# Allegro board 6089-119-RevB_08.brd (continued)
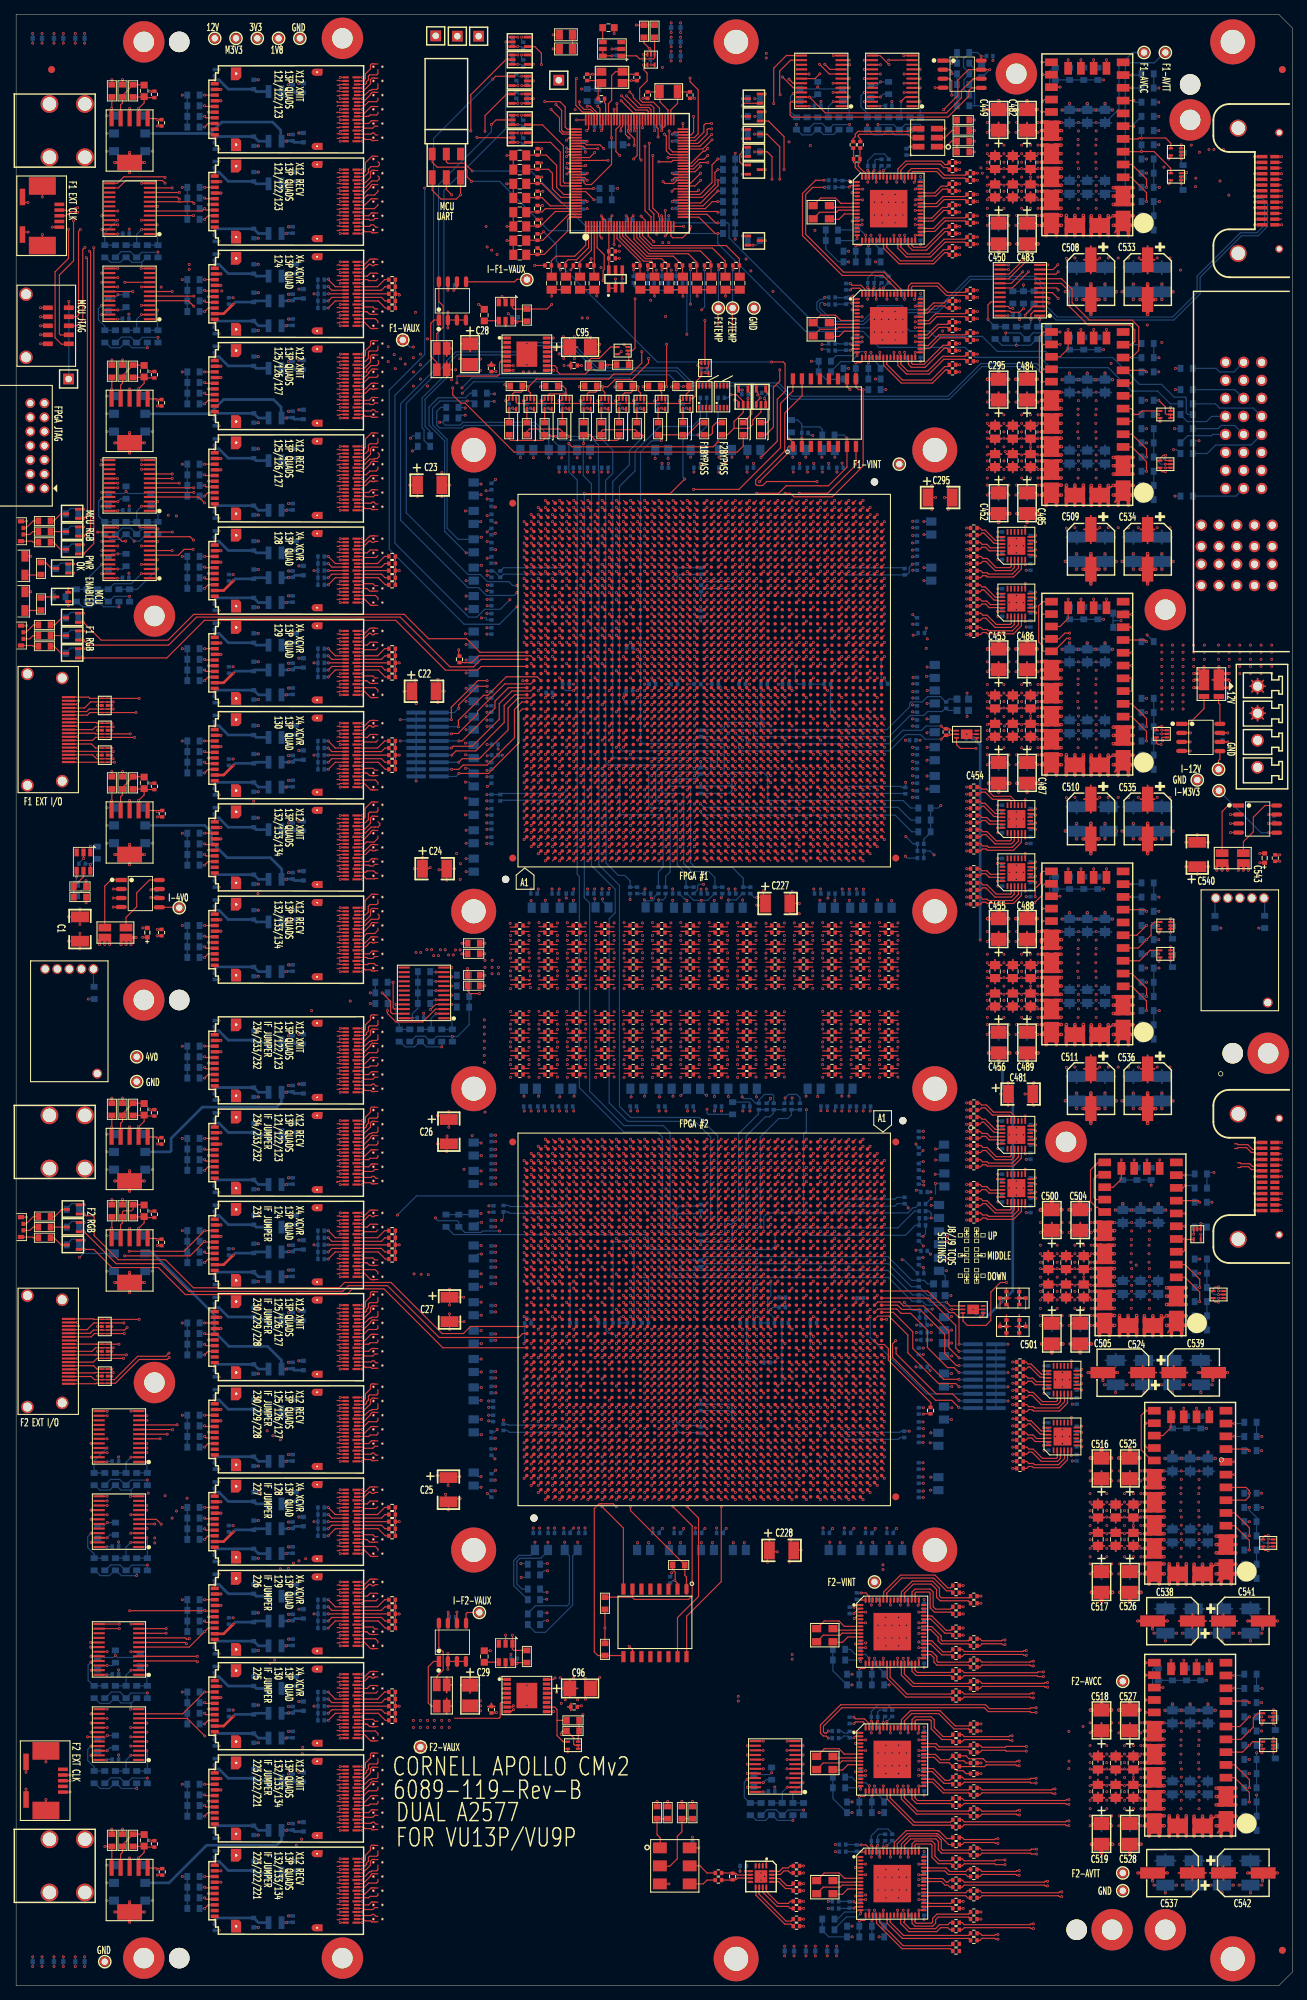
[diagram p0: board, top side]
## Routing (per net, layer and track width the routed paths; a pad name or vN(x,y) marks a point on that pad's centre or on a via; arc(x,y) is an arc through that point) (continued)
GND: length 8739.9
  TOP w0.165: U117.13 v1(168.2,81.38) ; U77.Y17 v1(103.39,103.29) ; 126.3,271.98 v1(125.12,271.98) ; U77.AC49 v1(100.39,70.51) ; U77.AF17 v1(97.39,103.29) ; C194.2 C193.2 v1(100,238.08) ; U77.BD1 v1(78.61,119.29) ; U77.AT23 v1(86.61,97.29) ; U77.AU18 v1(85.61,102.29) ; U77.U43 v1(106.39,76.51) ; U75.AH29 v1(99.39,187.29) ; U75.BA48 v1(112.39,206.29) ; U75.G18 v1(77.61,175.51) ; J3.5 v1(7.6,27.3) ; U75.C36 v1(73.61,194.29) ; U77.P51 v1(109.39,68.51) ; U75.BE4 v1(116.39,161.51) ; U77.A39 v1(122.39,80.51) ; U77.V25 v1(105.39,95.29) ; U77.AV5 v1(84.61,115.29) ; U75.BF20 v1(117.39,177.51) ; C96.2 80.95,41.9 80.25,41.2 v1(80.25,40.4) ; C96.2 81.5,41.9 81.5,42.65 v1(82.28,43.43) ; C96.2 80.2,42.66 v1(80.2,43.35) ; U77.BL12 v1(71.61,108.29) ; U31.A16 v1(48.81,170.4) ; U75.G44 v1(77.61,202.29) ; U34.A19 v1(48.81,125.9) ; U75.D41 v1(74.61,199.29) ; U42.A10 v1(48.81,26.4) ; U77.BD41 v1(78.61,78.51) ; R50.1 v1(54.01,173.4) ; R50.1 R51.1 R52.1 ; R50.1 R49.1 R48.1 ; U28.A16 v1(48.81,209.4) ; U77.V2 v1(105.39,118.29) ; U77.BG28 v1(75.61,91.51) ; U77.U39 v1(106.39,80.51) ; U75.D47 v1(74.61,205.29) ; U75.L8 v1(81.61,165.51) ; U75.BK16 v1(121.39,173.51) ; U77.BH41 v1(74.61,78.51) ; U75.AH33 v1(99.39,191.29) ; U75.BK10 v1(121.39,167.51) ; U77.G16 v1(116.39,104.29) ; U77.BE34 v1(77.61,85.51) ; U77.AW14 v1(83.61,106.29) ; U75.C17 v1(73.61,174.51) ; v1(150.37,123.59) 150.45,123.59 150.45,123.6 ; U75.AH12 v1(99.39,169.51) ; U77.L3 v1(112.39,117.29) ; U77.BJ43 v1(73.61,76.51) ; C22.2 59.44,182.17 v1(59.44,180.8) ; C22.2 v1(60.35,182.4) ; C22.2 59.45,182.64 59.45,184.07 v1(59.44,184.07) ; U75.BK4 v1(121.39,161.51) ; U75.AU26 v1(108.39,184.29) ; U75.BJ17 v1(120.39,174.51) ; U75.BA16 v1(112.39,173.51) ; v1(109.03,59.72) 109.03,60.77 C228.2 ; R68.1 R69.1 R70.1 ; U75.BC47 v1(114.39,205.29) ; v1(143.45,124.05) 143.45,124.15 143.26,124.34 143.26,125.65 ; U75.AG4 v1(98.39,161.51) ; U77.AD2 v1(99.39,118.29) ; U75.AC39 v1(93.61,197.29) ; R38.1 R39.1 R40.1 ; U77.BK20 v1(72.61,100.29) ; v1(60.9,52.65) 60.9,52.35 60.87,52.31 U46.7 ; U75.AU13 v1(108.39,170.51) ; U77.M2 v1(111.39,118.29) ; U75.H33 v1(78.61,191.29) ; J5.17 v1(8.66,180.56) ; C37.2 C36.2 v1(69.15,253.9) ; U75.W22 v1(89.61,179.51) ; U75.BC3 v1(114.39,160.51) ; v1(1.7,247.1) 1.07,247.1 0.9,246.93 J2.9 ; U75.AD6 v1(94.61,163.51) ; J5.2 v1(8.66,172.94) ; U38.B19 v1(45.69,73.9) ; U30.A19 v1(48.81,181.9) ; U77.W30 v1(104.39,89.51) ; J6.11 v1(8.66,89.91) ; U75.AB47 v1(92.61,205.29) ; U75.AF25 v1(97.39,182.51) ; U77.AE30 v1(98.39,89.51) ; U75.AJ36 v1(100.39,194.29) ; v1(76.52,223.34) 76.83,223.34 77,223.51 U60.3 ; U75.AD50 v1(94.61,208.29) ; U75.F31 v1(76.61,189.29) ; U25.A13 v1(48.81,249.9) ; U77.V31 v1(105.39,88.51) ; U75.BE36 v1(116.39,194.29) ; U75.B3 v1(72.61,160.51) ; U43.A10 v1(48.81,13.4) ; U71.3 v1(92.03,14.36) ; U77.AJ4 v1(93.61,116.29) ; U77.AG36 v1(95.61,83.51) ; U77.R47 v1(108.39,72.51) ; U77.BB23 v1(80.61,97.29) ; v1(127.89,80.54) 127.94,80.6 R140.2 ; U75.BK6 v1(121.39,163.51) ; U75.L49 v1(81.61,207.29) ; U77.AN12 v1(89.61,108.29) ; U77.AE47 v1(98.39,72.51) ; U77.A48 v1(122.39,71.51) ; U75.AB42 v1(92.61,200.29) ; U77.AP25 v1(88.61,95.29) ; U77.AW38 v1(83.61,81.51) ; U49.3 69.5,223.51 69.33,223.34 v1(69.02,223.34) ; U75.B42 v1(72.61,200.29) ; U35.A19 v1(48.81,112.9) ; U51.3 v1(70.72,270.74) ; U77.D1 v1(119.39,119.29) ; U77.A45 v1(122.39,74.51) ; U28.A4 v1(48.81,215.4) ; U75.V38 v1(88.61,196.29) ; U77.AY38 v1(82.61,81.51) ; U77.F46 v1(117.39,73.51) ; U75.AF42 v1(97.39,200.29) ; C1.2 v1(9,151.71) ; C1.2 v1(7.4,150.61) ; C1.2 v1(9,149.52) ; U77.H16 v1(115.39,104.29) ; U77.G18 v1(116.39,102.29) ; U77.P42 v1(109.39,77.51) ; U75.AB10 v1(92.61,167.51) ; U77.BF16 v1(76.61,104.29) ; J2.5 v1(5.1,247.8) ; U4.8 v1(13.5,176.9) ; U77.AP15 v1(88.61,105.29) ; R24.2 v1(15,125.07) ; U29.A4 v1(48.81,202.4) ; U77.BA12 v1(81.61,108.29) ; U77.AF40 v1(97.39,79.51) ; U35.A7 v1(48.81,118.9) ; U75.E18 v1(75.61,175.51) ; U9.12 v1(16.2,80.97) ; R106.1 82.56,228.35 83.34,228.35 v1(83.35,228.34) 83.41,228.4 R116.1 ; U77.G3 v1(116.39,117.29) ; Q5.2 v1(9.5,203.05) ; U33.B10 v1(45.69,147.4) ; C32.2 v1(67.64,227.45) ; U75.U9 v1(87.61,166.51) ; U77.AY46 v1(82.61,73.51) ; U75.AK2 v1(101.39,159.51) ; U75.AF37 v1(97.39,195.29) ; U75.AP21 v1(105.39,178.51) ; U31.B7 v1(45.69,174.9) ; U77.AE40 v1(98.39,79.51) ; U43.B10 v1(45.69,13.4) ; U77.M41 v1(111.39,78.51) ; U75.AU5 v1(108.39,162.51) ; U42.A4 v1(48.81,29.4) ; U45.2 U45.3 U45.4 ; U45.2 v1(60.87,233.59) ; U45.2 60.87,235.83 v1(60.88,235.83) ; U77.M11 v1(111.39,109.29) ; U23.7 19.12,154.53 v1(19,154.42) ; U77.F36 v1(117.39,83.51) ; U36.A7 v1(48.81,105.9) ; U27.B19 v1(45.69,220.9) ; U75.J38 v1(79.61,196.29) ; U75.G31 v1(77.61,189.29) ; U75.H41 v1(78.61,199.29) ; U75.BH51 v1(119.39,209.29) ; U77.AR40 v1(87.61,79.51) ; U75.E31 v1(75.61,189.29) ; U77.B31 v1(121.39,88.51) ; U26.B19 v1(45.69,233.9) ; U77.AD39 v1(99.39,80.51) ; U75.BA14 v1(112.39,171.51) ; U77.AP19 v1(88.61,101.29) ; 143.26,125.65 v1(142.22,125.65) ; 143.26,125.65 C481.2 ; 143.26,125.65 143.26,126.88 143.43,127.05 143.45,127.05 v1(143.45,127.25) ; U77.AG44 v1(95.61,75.51) ; U39.B1 v1(45.69,69.9) ; U75.AW4 v1(110.39,161.51) ; U61.3 79.24,35.78 R101.1 R100.1 79.36,37.51 79.9,38.05 v1(79.9,38.2) ; U75.BE47 v1(116.39,205.29) ; U75.AR44 v1(106.39,202.29) ; U42.B16 v1(45.69,23.4) ; v1(54.03,238.23) 54.01,238.23 54.01,238.4 R35.1 ; U41.A16 v1(48.81,36.4) ; U31.A19 v1(48.81,168.9) ; U77.B14 v1(121.39,106.29) ; C228.2 109.66,61.4 v1(110.65,61.4) ; C228.2 109.25,61.71 v1(109.25,62.95) ; U75.AC49 v1(93.61,207.29) ; U31.B13 v1(45.69,171.9) ; U75.Y47 v1(90.61,205.29) ; U35.A16 v1(48.81,114.4) ; U75.AD51 v1(94.61,209.29) ; U75.BL12 v1(122.39,169.51) ; U77.H38 v1(115.39,81.51) ; U75.AW32 v1(110.39,190.29) ; U77.AJ20 v1(93.61,100.29) ; U27.B1 v1(45.71,229.9) ; 152.65,123.6 v1(152.65,123.59) ; U77.AC44 v1(100.39,75.51) ; U77.AV38 v1(84.61,81.51) ; U77.AG3 v1(95.61,117.29) ; U75.AF47 v1(97.39,205.29) ; U75.J3 v1(79.61,160.51) ; U31.B19 v1(45.69,168.9) ; U77.AL34 v1(91.61,85.51) ; U75.AL24 v1(102.39,181.51) ; U77.AL3 v1(91.61,117.29) ; U75.H15 v1(78.61,172.51) ; U77.A13 v1(122.39,107.29) ; U77.C16 v1(120.39,104.29) ; U77.B36 v1(121.39,83.51) ; U77.Y33 v1(103.39,86.51) ; U77.AA49 v1(102.39,70.51) ; U77.P17 v1(109.39,103.29) ; U75.AR48 v1(106.39,206.29) ; U75.N4 v1(83.61,161.51) ; U77.BF21 v1(76.61,99.29) ; X1.2 82.15,269.35 v1(81.25,269.35) C97.2 ; U77.H41 v1(115.39,78.51) ; U75.F46 v1(76.61,204.29) ; U75.AB15 v1(92.61,172.51) ; U77.U9 v1(106.39,111.29) ; U75.AR8 v1(106.39,165.51) ; U77.J12 v1(114.39,108.29) ; U77.AV47 v1(84.61,72.51) ; U75.AC20 v1(93.61,177.51) ; U75.W26 v1(89.61,184.29) ; U32.B13 v1(45.69,158.9) ; U75.AD19 v1(94.61,176.51) ; U77.BA4 v1(81.61,116.29) ; 175.64,109.22 v1(174.58,109.22) ; U75.W40 v1(89.61,198.29) ; U77.AL48 v1(91.61,71.51) ; U77.BD47 v1(78.61,72.51) ; U35.A13 v1(48.81,115.9) ; U77.W48 v1(104.39,71.51) ; Q4.2 v1(9.5,205.55) ; U77.Y47 v1(103.39,72.51) ; U75.G16 v1(77.61,173.51) ; U33.A19 v1(48.81,142.9) ; U75.Y31 v1(90.61,189.29) ; R70.1 R71.1 R72.1 ; R70.1 v1(54.01,39.4) ; U42.A16 v1(48.81,23.4) ; U77.BH16 v1(74.61,104.29) ; U77.AE12 v1(98.39,108.29) ; U77.AK45 v1(92.61,74.51) ; U77.AT27 v1(86.61,92.51) ; U75.B45 v1(72.61,203.29) ; U77.BC4 v1(79.61,116.29) ; U77.W38 v1(104.39,81.51) ; U77.BC14 v1(79.61,106.29) ; U75.AH25 v1(99.39,182.51) ; U77.BC5 v1(79.61,115.29) ; U77.AB37 v1(101.39,82.51) ; U75.M46 v1(82.61,204.29) ; U75.AH51 v1(99.39,209.29) ; U75.A48 v1(71.61,206.29) ; U75.V45 v1(88.61,203.29) ; Q8.2 v1(9.5,188.4) ; U77.BE14 v1(77.61,106.29) ; U45.7 v1(60.87,238.91) ; U77.AE24 v1(98.39,96.29) ; U77.BK31 v1(72.61,88.51) ; v1(70.13,38.92) 70.12,38.92 70.12,38.98 69.78,38.62 U57.8 ; U75.BE38 v1(116.39,196.29) ; U75.AK33 v1(101.39,191.29) ; U77.AW8 v1(83.61,112.29) ; v1(67.7,38.5) 67.65,38.45 C33.2 ; U77.K19 v1(113.39,101.29) ; U39.B13 v1(45.69,63.9) ; J5.11 v1(8.66,177.51) ; P3.20 v1(174.58,111.62) ; U40.A19 v1(48.81,47.9) ; v1(60.88,46.83) 60.87,46.83 U46.2 ; U82.1 v1(105.75,17.61) ; U75.AW22 v1(110.39,179.51) ; U75.BL18 v1(122.39,175.51) ; U75.BE43 v1(116.39,201.29) ; U75.BJ43 v1(120.39,201.29) ; U42.A1 v1(48.81,30.9) ; U75.F19 v1(76.61,176.51) ; U75.AM37 v1(103.39,195.29) ; C116.2 v1(85.03,244.4) ; U75.W4 v1(89.61,161.51) ; U77.BK29 v1(72.61,90.51) ; C540.2 v1(168.1,161.11) ; C540.2 v1(166.5,162.21) ; C540.2 v1(164.9,161.11) ; U77.BJ18 v1(73.61,102.29) ; U75.P1 v1(84.61,158.51) ; U75.A4 v1(71.61,161.51) ; U77.K1 v1(113.39,119.29) ; U75.AW5 v1(110.39,162.51) ; U77.BH20 v1(74.61,100.29) ; U77.Y31 v1(103.39,88.51) ; U75.F1 v1(76.61,158.51) ; C30.2 65.31,236.9 v1(65.2,236.9) ; U75.BJ36 v1(120.39,194.29) ; U75.AN30 v1(104.39,188.29) ; U75.AH5 v1(99.39,162.51) ; U77.AJ24 v1(93.61,96.29) ; U75.BA4 v1(112.39,161.51) ; U38.B4 v1(45.69,81.4) ; U75.BL44 v1(122.39,202.29) ; U77.N13 v1(110.39,107.29) ; U75.N13 v1(83.61,170.51) ; U43.2 v1(28.87,16.2) ; U75.AL47 v1(102.39,205.29) ; U77.AP27 v1(88.61,92.51) ; U77.BD5 v1(78.61,115.29) ; U75.D7 v1(74.61,164.51) ; v1(45.69,261.28) 45.69,261.29 45.7,261.29 45.7,261.29 45.69,261.29 45.69,261.3 45.72,261.3 45.72,261.31 45.69,261.31 45.69,261.33 45.77,261.33 45.77,261.35 45.69,261.35 45.69,261.4 U24.B16 ; U77.N9 v1(110.39,111.29) ; U75.A26 v1(71.42,183.9) ; U75.AC5 v1(93.61,162.51) ; v1(87,249.4) 86.7,249.1 U68.17 ; U77.B4 v1(121.39,116.29) ; U75.K10 v1(80.61,167.51) ; P2.13 v1(178.38,252.93) ; U77.F21 v1(117.39,99.29) ; U77.G47 v1(116.39,72.51) ; U34.A10 v1(48.81,130.4) ; U77.AD12 v1(99.39,108.29) ; v1(92.5,255.4) 92.7,255.2 U68.48 ; U75.M1 v1(82.61,158.51) ; U75.AV7 v1(109.39,164.51) ; U75.AJ4 v1(100.39,161.51) ; U56.7 v1(70.08,228.28) ; U77.AN47 v1(89.61,72.51) ; U77.BK45 v1(72.61,74.51) ; U75.AA9 v1(91.61,166.51) ; U75.AU9 v1(108.39,166.51) ; U75.BG4 v1(118.39,161.51) ; U77.A36 v1(122.39,83.51) ; U77.AY41 v1(82.61,78.51) ; U77.Y27 v1(103.39,92.51) ; U75.BE49 v1(116.39,207.29) ; U77.AD25 v1(99.39,95.29) ; U43.B13 v1(45.69,11.9) ; U77.AD15 v1(99.39,105.29) ; U77.AD33 v1(99.39,86.51) ; U77.F5 v1(117.39,115.29) ; U77.V23 v1(105.39,97.29) ; U77.AM1 v1(90.61,119.29) ; U77.A4 v1(122.39,116.29) ; U77.AW32 v1(83.61,87.51) ; U77.BH11 v1(74.61,109.29) ; U77.AF25 v1(97.39,95.29) ; U77.L36 v1(112.39,83.51) ; U77.AK7 v1(92.61,113.29) ; U75.J43 v1(79.61,201.29) ; U77.AB45 v1(101.39,74.51) ; U75.AM17 v1(103.39,174.51) ; U75.BJ3 v1(120.39,160.51) ; U75.AC4 v1(93.61,161.51) ; U77.AG20 v1(95.61,100.29) ; U75.AF21 v1(97.39,178.51) ; U75.J5 v1(79.61,162.51) ; U126.3 v1(177.24,34.88) ; U77.T38 v1(107.39,81.51) ; U77.Y35 v1(103.39,84.51) ; U75.BD6 v1(115.39,163.51) ; U77.AM2 v1(90.61,118.29) ; U77.E49 v1(118.39,70.51) ; U75.V29 v1(88.61,187.29) ; U77.BD50 v1(78.61,69.51) ; U75.Y51 v1(90.61,209.29) ; U30.A4 v1(48.81,189.4) ; U32.A13 v1(48.81,158.9) ; U43.A13 v1(48.81,11.9) ; U77.AU4 v1(85.61,116.29) ; U77.G49 v1(116.39,70.51) ; U92.3 v1(130.95,261.67) ; U75.BL8 v1(122.39,165.51) ; U77.D5 v1(119.39,115.29) ; U75.G3 v1(77.61,160.51) ; U77.BL8 v1(71.61,112.29) ; U75.E45 v1(75.61,203.29) ; U41.B1 v1(45.69,43.9) ; U75.AJ26 v1(100.39,184.29) ; U75.AG12 v1(98.39,169.51) ; U75.AJ39 v1(100.39,197.29) ; U77.W12 v1(104.39,108.29) ; U38.A10 v1(48.81,78.4) ; U77.F51 v1(117.39,68.51) ; U75.F33 v1(76.61,191.29) ; U77.H34 v1(115.39,85.51) ; U75.AM31 v1(103.39,189.29) ; U77.B47 v1(121.39,72.51) ; v1(45.69,265.91) 45.69,265.9 U24.B7 ; U75.AF17 v1(97.39,174.51) ; U77.AM6 v1(90.61,114.29) ; U77.A16 v1(122.39,104.29) ; U77.BE35 v1(77.61,84.51) ; R60.1 R61.1 R62.1 ; R60.1 R59.1 R58.1 ; R60.1 v1(54.01,65.4) ; U77.AA38 v1(102.39,81.51) ; U75.AU48 v1(108.39,206.29) ; R42.1 R41.1 R40.1 ; v1(86.42,47.83) 86.88,47.37 U72.10 ; U77.P7 v1(109.39,113.29) ; U77.AP5 v1(88.61,115.29) ; J6.13 v1(8.66,90.92) ; v1(65.45,39.44) 64.01,39.44 ; 64.01,39.44 64.7,38.75 v1(65.45,38.75) ; 64.01,39.44 C29.2 64,39.45 64.7,40.15 v1(65.45,40.15) ; U29.A7 v1(48.81,200.9) ; U77.BE18 v1(77.61,102.29) ; U77.H47 v1(115.39,72.51) ; R37.1 R36.1 R35.1 ; U77.BH25 v1(74.61,95.29) ; U77.AB19 v1(101.39,101.29) ; U77.AU9 v1(85.61,111.29) ; v1(68.51,238.03) 68.51,237.94 69,237.45 U47.2 ; U77.K29 v1(113.39,90.51) ; C77.2 79.25,39.45 v1(79.68,39.45) ; U75.AL26 v1(102.39,184.29) ; U40.A13 v1(48.81,50.9) ; U77.BF45 v1(76.61,74.51) ; U75.BH32 v1(119.39,190.29) ; U75.BC49 v1(114.39,207.29) ; U75.W24 v1(89.61,181.51) ; U75.AP47 v1(105.39,205.29) ; U77.BF51 v1(76.61,68.51) ; U77.AB47 v1(101.39,72.51) ; v1(105.5,223.65) 105.5,223.6 105.66,223.44 U81.3 ; U24.A10 v1(48.81,264.4) ; U36.A19 v1(48.81,99.9) ; U77.BD14 v1(78.61,106.29) ; U75.F45 v1(76.61,203.29) ; U77.R40 v1(108.39,79.51) ; U77.AN24 v1(89.61,96.29) ; U77.H36 v1(115.39,83.51) ; U75.V47 v1(88.61,205.29) ; U38.B16 v1(45.69,75.4) ; P2.1 v1(178.38,257.73) ; P2.20 v1(174.58,250.53) ; U25.A19 v1(48.81,246.9) ; U13.3 v1(16,264.51) ; U75.AH15 v1(99.39,172.51) ; U77.E31 v1(118.39,88.51) ; U77.G40 v1(116.39,79.51) ; v1(69,49.4) U48.2 ; U75.D46 v1(74.61,204.29) ; U75.V50 v1(88.61,208.29) ; U28.B4 v1(45.69,215.4) ; U42.A19 v1(48.81,21.9) ; U75.P51 v1(84.61,209.29) ; U75.R14 v1(85.61,171.51) ; U75.AE9 v1(95.61,166.51) ; U36.A13 v1(48.81,102.9) ; R25.2 v1(15,110.77) ; U75.M38 v1(82.61,196.29) ; U77.W4 v1(104.39,116.29) ; U77.B38 v1(121.39,81.51) ; U77.BK3 v1(72.61,117.29) ; U75.U49 v1(87.61,207.29) ; U77.M38 v1(111.39,81.51) ; U35.A1 v1(48.81,121.9) ; U77.E7 v1(118.39,113.29) ; U77.T47 v1(107.39,72.51) ; Q14.2 v1(102.4,260.25) ; U114.3 v1(162.74,146.38) ; U77.AW48 v1(83.61,71.51) ; U40.B19 v1(45.69,47.9) ; U75.AH46 v1(99.39,204.29) ; U69.3 87.5,223.51 87.33,223.34 v1(87.02,223.34) ; U77.L48 v1(112.39,71.51) ; U77.N39 v1(110.39,80.51) ; U77.AD46 v1(99.39,73.51) ; U77.U4 v1(106.39,116.29) ; U75.AB29 v1(92.61,187.29) ; U75.AP33 v1(105.39,191.29) ; U77.BK36 v1(72.61,83.51) ; U75.BC4 v1(114.39,161.51) ; U77.K5 v1(113.39,115.29) ; U75.AC24 v1(93.61,181.51) ; U75.Y25 v1(90.61,182.51) ; U26.A19 v1(48.81,233.9) ; U77.BK32 v1(72.61,87.51) ; U110.3 161.65,176.9 161.62,176.93 v1(161.5,176.93) ; U77.BL35 v1(71.61,84.51) ; U75.AE36 v1(95.61,194.29) ; U77.R38 v1(108.39,81.51) ; U77.AC39 v1(100.39,80.51) ; U77.AC47 v1(100.39,72.51) ; U75.H37 v1(78.61,195.29) ; U75.BL26 v1(122.39,184.29) ; U106.13 v1(153.7,233.38) ; U75.D19 v1(74.61,176.51) ; U77.BC47 v1(79.61,72.51) ; U75.AN9 v1(104.39,166.51) ; U64.2 v1(84,272.9) ; U75.N38 v1(83.61,196.29) ; U75.BF1 v1(117.39,158.51) ; U75.AJ20 v1(100.39,177.51) ; U27.A13 v1(48.81,223.9) ; U75.BD51 v1(115.39,209.29) ; U77.AF35 v1(97.39,84.51) ; U77.D27 v1(119.39,92.51) ; U34.B10 v1(45.69,130.4) ; U75.AT51 v1(107.39,209.29) ; U29.B4 v1(45.69,202.4) ; U77.AL14 v1(91.61,106.29) ; U77.BE49 v1(77.61,70.51) ; U75.BD2 v1(115.39,159.51) ; U75.BK5 v1(121.39,162.51) ; U28.A19 v1(48.81,207.9) ; U77.AL49 v1(91.61,70.51) ; U75.C49 v1(73.61,207.29) ; U77.AL24 v1(91.61,96.29) ; U75.AP27 v1(105.39,185.29) ; U77.AD21 v1(99.39,99.29) ; U75.AG47 v1(98.39,205.29) ; U77.W8 v1(104.39,112.29) ; U75.AN3 v1(104.39,160.51) ; C136.2 v1(88.36,265.95) ; U77.G21 v1(116.39,99.29) ; U77.AF47 v1(97.39,72.51) ; U77.E9 v1(118.39,111.29) ; U77.A26 v1(122.7,93.9) ; U77.BA26 v1(81.61,94.29) ; U77.L49 v1(112.39,70.51) ; U75.AY47 v1(111.39,205.29) ; U77.D16 v1(119.39,104.29) ; U75.AK21 v1(101.39,178.51) ; U75.AN49 v1(104.39,207.29) ; U75.AA24 v1(91.61,181.51) ; U77.R44 v1(108.39,75.51) ; U77.AF1 v1(97.39,119.29) ; U77.H19 v1(115.39,101.29) ; U75.D11 v1(74.61,168.51) ; U75.BE18 v1(116.39,175.51) ; U75.M6 v1(82.61,163.51) ; U77.AE9 v1(98.39,111.29) ; U75.AF7 v1(97.39,164.51) ; U38.B7 v1(45.69,79.9) ; U75.AL3 v1(102.39,160.51) ; U77.AM31 v1(90.61,88.51) ; J4.9 v1(3.44,231.36) ; U77.AM37 v1(90.61,82.51) ; U77.AH5 v1(94.61,115.29) ; U75.AE47 v1(95.61,205.29) ; U77.AC14 v1(100.39,106.29) ; U77.AP51 v1(88.61,68.51) ; C227.2 v1(110.4,152.5) ; C227.2 109.06,151.22 109.23,151.05 110.4,151.05 v1(110.4,151.06) ; C227.2 109.06,153.81 v1(109.4,154.15) ; U77.AF37 v1(97.39,82.51) ; U77.AH51 v1(94.61,68.51) ; U30.A1 v1(48.81,190.9) ; U75.BH7 v1(119.39,164.51) ; U77.V47 v1(105.39,72.51) ; U75.W48 v1(89.61,206.29) ; U75.K1 v1(80.61,158.51) ; U75.AP42 v1(105.39,200.29) ; U30.A16 v1(48.81,183.4) ; R40.1 v1(54.01,199.4) ; C26.2 60.75,118.89 v1(60.75,119.73) ; C26.2 60.7,118.34 v1(60.7,117.54) ; C26.2 v1(59.4,118.64) ; U75.AE30 v1(95.61,188.29) ; U77.AT50 v1(86.61,69.51) ; U77.AJ32 v1(93.61,87.51) ; U77.V42 v1(105.39,77.51) ; U75.J9 v1(79.61,166.51) ; U75.G5 v1(77.61,162.51) ; U75.BC8 v1(114.39,165.51) ; U42.B7 v1(45.69,27.9) ; U75.F51 v1(76.61,209.29) ; U77.W5 v1(104.39,115.29) ; C25.2 61.41,68.65 v1(62.6,68.65) ; C25.2 60.55,68.59 v1(60.55,69.25) ; C25.2 v1(60.95,67.05) ; U75.AC3 v1(93.61,160.51) ; U75.AP31 v1(105.39,189.29) ; U75.G34 v1(77.61,192.29) ; U77.E4 v1(118.39,116.29) ; U75.BD14 v1(115.39,171.51) ; U46.2 U46.3 U46.4 ; U46.2 v1(60.87,44.59) ; U77.W3 v1(104.39,117.29) ; U77.B33 v1(121.39,86.51) ; U75.A39 v1(71.61,197.29) ; U77.BL36 v1(71.61,83.51) ; U77.BG31 v1(75.61,88.51) ; U77.A7 v1(122.39,113.29) ; U77.AU30 v1(85.61,89.51) ; U75.AH23 v1(99.39,180.51) ; U75.AT5 v1(107.39,162.51) ; U77.H18 v1(115.39,102.29) ; U75.K5 v1(80.61,162.51) ; U75.D50 v1(74.61,208.29) ; U75.AN22 v1(104.39,179.51) ; U77.AJ5 v1(93.61,115.29) ; U77.AP33 v1(88.61,86.51) ; U77.AN16 v1(89.61,104.29) ; U75.AA20 v1(91.61,177.51) ; U77.W34 v1(104.39,85.51) ; U75.BE12 v1(116.39,169.51) ; v1(1.68,251.28) 1.07,251.28 0.9,251.44 J2.8 ; U77.G36 v1(116.39,83.51) ; U77.F33 v1(117.39,86.51) ; C174.2 C173.2 v1(96,238.08) ; U34.A13 v1(48.81,128.9) ; U75.AP51 v1(105.39,209.29) ; U75.BA36 v1(112.39,194.29) ; U75.P17 v1(84.61,174.51) ; U77.M33 v1(111.39,86.51) ; U77.BL17 v1(71.61,103.29) ; U75.BJ13 v1(120.39,170.51) ; U75.C4 v1(73.61,161.51) ; U77.F20 v1(117.39,100.29) ; P3.2 v1(174.58,118.83) ; U75.AE43 v1(95.61,201.29) ; U75.AD11 v1(94.61,168.51) ; U77.W49 v1(104.39,70.51) ; U35.A4 v1(48.81,120.4) ; U77.BH47 v1(74.61,72.51) ; U75.BK42 v1(121.39,200.29) ; U75.AL48 v1(102.39,206.29) ; U77.BE38 v1(77.61,81.51) ; v1(117.55,224.9) 117.12,225.33 U85.10 ; U75.BF5 v1(117.39,162.51) ; U77.R12 v1(108.39,108.29) ; U77.AU48 v1(85.61,71.51) ; U77.W18 v1(104.39,102.29) ; v1(150.37,237.59) 150.45,237.59 150.45,237.6 ; U77.AC16 v1(100.39,104.29) ; U75.C18 v1(73.61,175.51) ; U57.9 75.75,38.62 75.75,38.63 v1(75.76,38.63) ; U26.A16 v1(48.81,235.4) ; U75.BG31 v1(118.39,189.29) ; U75.L44 v1(81.61,202.29) ; U77.AW22 v1(83.61,98.29) ; U41.B7 v1(45.69,40.9) ; U77.AP31 v1(88.61,88.51) ; U68.10 83.9,249.3 v1(84,249.4) ; U77.BL4 v1(71.61,116.29) ; U29.B19 v1(45.69,194.9) ; U77.AF33 v1(97.39,86.51) ; U75.R3 v1(85.61,160.51) ; U77.E36 v1(118.39,83.51) ; U75.AC48 v1(93.61,206.29) ; U75.BC14 v1(114.39,171.51) ; U75.BH21 v1(119.39,178.51) ; U75.BD47 v1(115.39,205.29) ; U77.L14 v1(112.39,106.29) ; U75.BB45 v1(113.39,203.29) ; U77.P2 v1(109.39,118.29) ; U75.AN24 v1(104.39,181.51) ; U75.BH19 v1(119.39,176.51) ; U77.BK6 v1(72.61,114.29) ; U2.2 v1(9.5,158.83) ; R43.1 R44.1 R45.1 ; U75.BA5 v1(112.39,162.51) ; U75.AA36 v1(91.61,194.29) ; U75.AN28 v1(104.39,186.29) ; U36.B4 v1(45.69,107.4) ; U75.J40 v1(79.61,198.29) ; R45.1 R46.1 R47.1 ; R45.1 v1(54.01,186.4) ; U75.AR14 v1(106.39,171.51) ; U30.B1 v1(45.69,190.9) ; U75.H35 v1(78.61,193.29) ; U77.D2 v1(119.39,118.29) ; v1(69.18,247.9) C39.2 C38.2 ; U24.A7 v1(48.81,265.9) ; U77.BE4 v1(77.61,116.29) ; U77.AB29 v1(101.39,90.51) ; U77.AA22 v1(102.39,98.29) ; C21.2 v1(19.9,15.6) ; U77.C40 v1(120.39,79.51) ; U77.BH32 v1(74.61,87.51) ; U77.BG4 v1(75.61,116.29) ; U75.T50 v1(86.61,208.29) ; R35.1 R34.1 R33.1 ; U77.BJ17 v1(73.61,103.29) ; U32.A7 v1(48.81,161.9) ; U75.AH11 v1(99.39,168.51) ; U75.AL5 v1(102.39,162.51) ; U77.AB31 v1(101.39,88.51) ; U77.T5 v1(107.39,115.29) ; U75.B16 v1(72.61,173.51) ; U75.AN16 v1(104.39,173.51) ; U27.A1 v1(48.81,229.9) ; U75.H47 v1(78.61,205.29) ; U75.AP23 v1(105.39,180.51) ; U75.C16 v1(73.61,173.51) ; C9.2 v1(18.89,266.95) ; U75.U48 v1(87.61,206.29) ; U77.E34 v1(118.39,85.51) ; U77.AK37 v1(92.61,82.51) ; U75.AA32 v1(91.61,190.29) ; U75.AV51 v1(109.39,209.29) ; U75.V51 v1(88.61,209.29) ; U27.A10 v1(48.81,225.4) ; U77.BA5 v1(81.61,115.29) ; U77.C2 v1(120.39,118.29) ; U77.AT31 v1(86.61,88.51) ; U66.3 86.05,230.9 v1(85.7,231.25) ; U32.B16 v1(45.69,157.4) ; U77.AH27